# Allegro board 1119394-C028P02-36-DE2-C01_pcb.brd (continued)
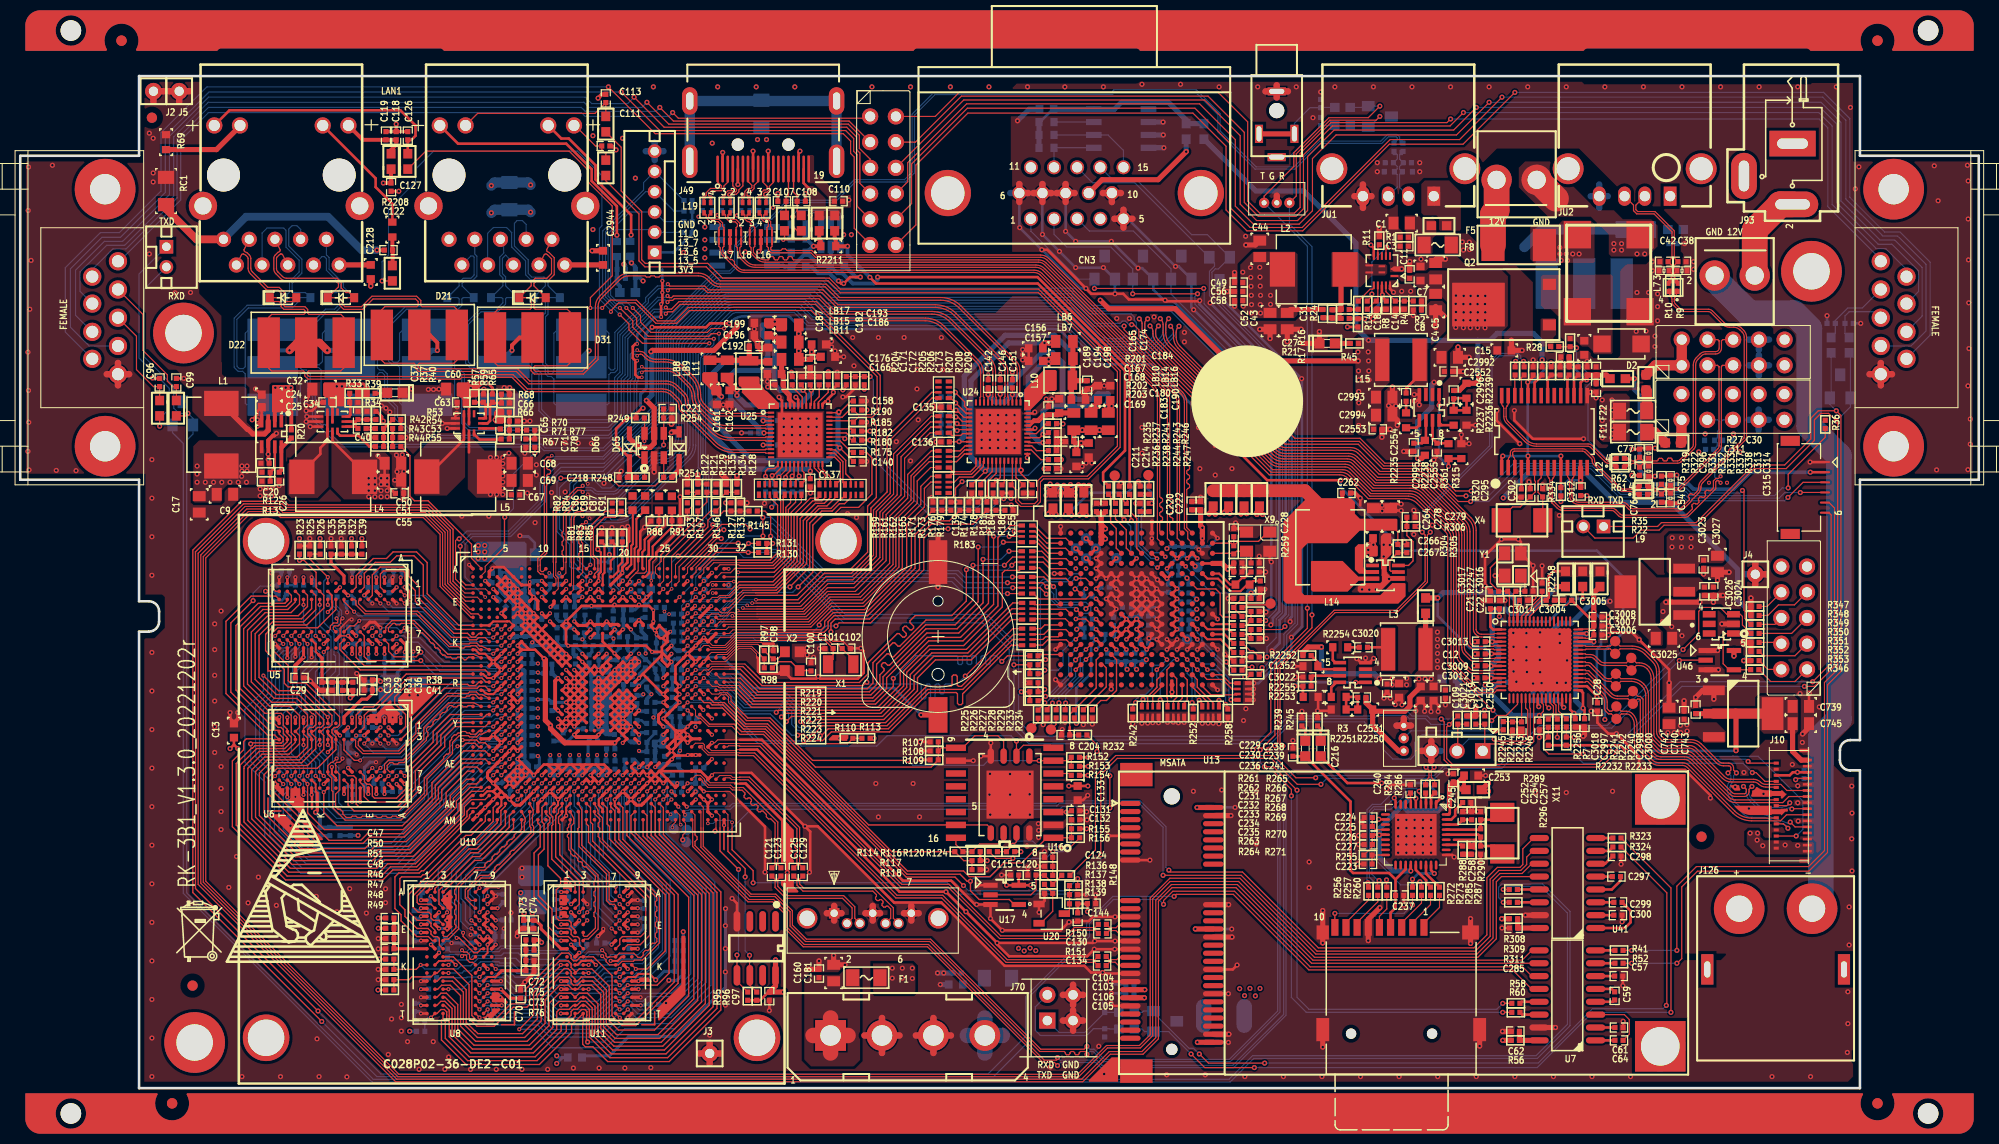
[diagram p0: board, top side]
## Routing (per net, layer and track width the routed paths; a pad name or vN(x,y) marks a point on that pad's centre or on a via; arc(x,y) is an arc through that point) (continued)
1V8: length 34.8
  TOP w0.254: R2232.2 R2233.2 158.04,33.88 v2(158.6,33.32)
  TOP w0.508: U102.4 173.23,36.86 ; v2(169.47,33.35) 169.47,36.98 169.44,37.01 ; J10.31 175.92,32.41 175.06,33.27 C745.1 ; C743.1 U102.2
  TOP w1.016: U102.4 U102.2
  BOTTOM w0.254: v2(169.47,33.35) 169.44,33.32 v2(158.6,33.32)
1V8_DVI: length 15.6
  TOP w0.127: R304.2 136.07,54.97 C278.1
  TOP w0.381: C262.1 130.58,58.06
  TOP w1.27: L14.2 126.89,59.03 LB25.1 LB24.1 LB23.1 LB22.1
3V3: length 272.9
  TOP w0.254: v2(105.41,17.45) C144.1 105.38,18.21 R151.1 C134.1 ; v1(62.53,46.13) v3(62.53,47.22) 62.1,47.65 60.99,47.65 ; R152.1 v2(105.46,32.69) ; 105.05,59.08 LB20.1 ; 105.05,59.08 v2(104.52,59.61) ; 105.05,59.08 105.54,59.56 ; 105.05,59.08 v2(105.05,59.56) ; v2(133.4,83.31) 133.69,83.02 U2.7 ; R95.1 R96.1 73.08,8.69 73.89,9.5 C97.2 ; R162.1 v2(92.46,57.91) R165.1 ; U10.H13 53.91,45.31 ; 53.91,45.31 53.52,45.69 U10.H12 ; 53.91,45.31 53.91,43.94 v1(54.13,43.71) 57.94,43.71 ; v2(97.13,58.24) 96.98,58.39 R181.2 R184.1 v2(97.87,58.27) ; R127.1 v2(69.67,57.84) ; 63.37,42.8 63.37,42.27 U10.N25 ; 63.37,42.8 61.49,40.92 ; 63.37,42.8 63.37,43.07 ; 63.91,44.12 63.8,44.12 63.46,44.46 ; 63.91,44.12 63.37,43.59 63.37,43.07 ; 63.91,44.12 U10.K25 U10.J25 ; v2(104.52,59.61) 105,59.61 v2(105.05,59.56) ; v2(104.52,59.61) 104.22,59.31 v2(104.22,59.18) 103.86,58.83 ; R155.1 v2(105.33,25.63) ; 57.94,43.71 57.52,44.13 U10.J17 ; 57.94,43.71 v1(58.7,42.95) ; 57.94,43.71 61.8,43.71 v1(62.41,43.1) 63.34,43.1 63.37,43.07 ; R153.1 v2(105.49,31.8) ; 133.62,53.51 133.68,53.57 133.68,53.67 ; v1(61.11,47.78) 60.99,47.65 ; 60.99,47.65 58.57,47.65 ; 133.68,53.67 v2(133.65,53.7) ; 133.68,53.67 133.76,53.59 ; v2(46.02,69.67) 46.18,69.67 46.63,69.22 R65.1 ; v2(103.73,59.64) 103.53,59.44 103.53,59.11 ; v2(176.81,60.86) J120.2 ; R124.1 v2(98.83,23.37) ; R306.1 v2(138.13,55.5) ; R129.1 R121.1 ; v2(101.35,59.23) 101.75,58.83 ; 101.75,58.83 LB18.1 ; 101.75,58.83 101.57,58.83 v2(101.32,58.57) ; C267.2 133.5,53.09 ; 133.5,53.09 133.17,52.76 133.17,52.7 v2(133.15,52.68) ; 133.5,53.09 133.48,53.09 133.22,53.34 133.22,53.62 v2(133.15,53.7) ; R116.1 R117.1 v2(95.5,22.48) ; R182.2 v2(83.92,64.92) ; U10.J25 64.11,45.11 v3(64.21,45.11) 64.02,44.92 U10.J25 ; U10.J25 63.46,44.46 ; U10.J25 U10.H24 63.12,45.67 v1(62.69,45.24) ; U4.13 U4.8 30.84,67.69 C34.1 ; v1(62.69,45.24) 62.32,45.61 U10.H23 ; v1(62.69,45.24) 62.84,45.09 v3(62.84,44.81) 63.18,44.46 63.46,44.46 ; C115.1 U17.5 ; U17.5 v2(97.42,20.05) ; U17.5 v2(99.81,20.05) ; v1(51.73,42.46) 50.86,43.32 50.29,43.32 ; 50.29,43.32 U10.L7 v1(49.12,43.72) ; 50.29,43.32 49.52,44.09 U10.K7 ; R180.1 v2(83.92,64.03) ; 105.54,59.56 v2(105.56,59.56) ; 105.54,59.56 v2(105.05,59.56) ; v2(103.07,59.56) 103.53,59.11 ; 103.53,59.11 LB19.1 ; R40.1 35.2,66.88 35.74,66.34 35.74,66.04 v2(35.86,65.91) ; v1(63.52,38.12) U10.U25 63.89,38.52 61.49,40.92 ; LB19.1 103.05,58.83 v2(102.77,58.55) ; LB19.1 103.86,58.83 ; 58.57,47.65 v1(56.41,47.65) 55.45,47.65 v1(53.92,46.12) ; 58.57,47.65 v1(58.7,47.78) ; 102.01,59.16 102.01,59.41 v2(101.73,59.69) ; 102.01,59.16 v2(102.44,59.59) ; 102.01,59.16 LB18.1 ; v2(103.57,29.86) C133.1 v2(105.45,29.86) ; C173.1 80.31,69.11 v2(80.31,68.76) 80.31,68.63 79.78,68.1 v2(79.78,67.87) 79.53,67.87 79.24,67.58 U25.37 ; LB18.1 102.54,58.83 v2(102.74,59.03) ; v2(74.32,53.82) R131.1 R130.1 ; U9.13 U9.8 44.32,67.41 C63.1 ; R179.1 96.37,58.09 v2(96.19,58.27) 96.09,58.37 R178.1 ; R17.1 v2(131.09,75.21) ; v1(64.32,42.12) U10.M25 63.37,43.07 ; R209.1 v2(83.36,69.06) ; R109.1 v2(88.93,32.44) ; 61.49,40.92 61.12,40.55 v1(61.12,40.52) ; R113.1 v2(84.33,34.57) ; 103.86,58.83 103.94,58.83 v2(104.22,58.55) ; R154.1 v2(105.46,30.91) ; U24.37 v2(99.48,62.3) ; R190.1 v2(83.62,67.01)
  TOP w0.305: U10.L7 v1(49.12,42.92) ; U10.M19 58.7,42.94 v1(58.7,42.95) ; U10.H23 62.53,45.94 v1(62.53,46.13) ; v1(63.52,38.12) U10.V25 ; U10.AB19 v1(58.72,34.12) ; U10.H12 v1(53.92,46.12) U10.H13 ; U10.M25 v1(64.32,42.92) ; U10.N25 v1(64.32,42.12) ; U10.T25 63.92,39.32 v1(63.52,38.92) U10.U25 ; U10.AE23 v1(61.92,31.72) ; U10.R21 v1(61.12,40.52) ; U10.AE22 v1(61.12,31.72) ; U10.K7 v1(49.12,43.72)
  TOP w0.381: U3.2 25.14,67.17 C25.2 25.29,67.31 26.26,67.31 26.77,66.8 R20.1 ; v2(35.86,89.43) C127.1 LB28.1 ; LB31.2 v2(159.44,70.1)
  TOP w0.508: R311.1 v2(146.33,16.74) ; C193.1 v2(78.17,72.75) 78.17,72.58 v2(78.49,72.26) ; v2(74.6,12.67) U12.8 74.6,10.11 C97.2 v2(75.36,9.5) ; R121.1 v2(66.93,60.63) ; R56.1 v2(146.43,4.72) ; C31.2 125.48,76.94 C43.1 ; v2(78.49,72.26) C186.1 ; v2(78.49,72.26) 78.28,72.26 C182.1 v2(77.57,72.01) LB11.1 76.9,72.83 v2(76.89,72.85) 76.9,72.86 LB15.1 76.9,74.54 v2(76.89,74.55) 76.9,74.56 LB17.1 ; D65.2 64.39,64.85 v2(64.31,64.77) ; v2(145.01,30.15) 144.35,29.49 LB26.1 144.48,29.34 v2(145.01,29.34) ; R203.1 v2(102.82,62.1) ; C169.1 v2(101.14,61.21) ; v2(104.32,63.42) 104.32,63.63 C180.1 v2(104.06,64.34) LB10.1 104.89,65.01 v2(104.9,65.02) 104.91,65.01 LB14.1 106.59,65.01 v2(106.6,65.02) 106.62,65.01 LB16.1 ; v2(104.32,63.42) C183.1 ; v2(104.32,63.42) 104.64,63.74 v2(104.8,63.74) C190.1 ; v1(58.72,34.12) 53.79,34.12 52.37,35.53 v1(52.37,35.84) 51.87,36.35 51.87,42.32 v1(51.73,42.46) ; C266.2 C267.2 ; R128.1 v2(70.79,60.53) ; R206.1 v2(79.81,70.76)
  GND02 w0.254: v2(102.74,59.03) 102.44,59.33 v2(102.44,59.59) 102.46,59.56 v2(103.07,59.56) ; v2(102.74,59.03) 102.74,58.57 v2(102.77,58.55) ; v2(102.74,59.03) 103.07,59.36 v2(103.07,59.56) ; v2(25.2,69.22) v2(25.7,69.22) v2(26.21,69.22) v2(26.72,69.22) ; v2(78.49,72.26) 78.17,72.58 v2(78.17,72.75) ; v2(103.07,59.56) 103.66,59.56 v2(103.73,59.64) 103.76,59.64 v2(104.22,59.18) ; v2(133.15,52.68) v2(133.15,53.19) v2(133.15,53.7) v2(133.65,53.7) ; v2(104.22,59.18) v2(104.22,58.55) ; v2(104.22,59.18) 104.52,59.49 v2(104.52,59.61) 104.57,59.56 v2(105.05,59.56) v2(105.56,59.56) ; v2(31.27,69.34) v2(31.78,69.34) v2(32.28,69.34) v2(32.79,69.34) v2(33.3,69.34) v2(33.81,69.34) ; v2(101.73,59.69) 101.73,59.61 v2(101.35,59.23) 101.35,58.6 v2(101.32,58.57)
  PWR03 w0.635: 61.78,82.58 J128.1 ; J128.1 62.66,81.7 ; J128.1 63.54,82.58 ; J128.1 62.66,83.45
  BOTTOM w0.254: C362.1 v3(62.53,47.22) v1(62.53,46.13) ; v2(74.22,57.4) 74.5,57.68 R371.2 R372.2 R373.2 R374.2 ; v2(102.74,59.03) 102.74,58.57 v2(102.77,58.55) ; v2(102.74,59.03) 103.07,59.36 v2(103.07,59.56) ; v2(102.74,59.03) 102.44,59.33 v2(102.44,59.59) 103.05,59.59 v2(103.07,59.56) ; v2(78.17,72.75) 78.17,72.58 v2(78.49,72.26) ; R376.2 R377.2 R378.2 R379.2 90.6,64.74 89.81,63.96 v2(89.81,63.86) ; R2260.2 R2259.2 R2258.2 R2257.2 66.37,84.43 64.52,82.58 J128.1 ; R382.1 66.7,36.42 v1(66.7,35.69) ; v2(103.07,59.56) 103.66,59.56 v2(103.73,59.64) 103.76,59.64 v2(104.22,59.18) ; v1(62.69,45.24) 62.84,45.09 v3(62.84,44.81) C361.1 62.84,43.17 LB35.1 62.42,43.09 v1(62.41,43.1) ; v2(31.27,69.34) v2(31.78,69.34) v2(32.28,69.34) v2(32.79,69.34) v2(33.3,69.34) v2(33.81,69.34) ; v2(101.32,58.57) 101.35,58.6 v2(101.35,59.23) 101.73,59.61 v2(101.73,59.69) ; v2(26.72,69.22) v2(26.21,69.22) v2(25.7,69.22) v2(25.2,69.22) ; v2(104.22,59.18) 104.52,59.49 v2(104.52,59.61) 104.57,59.56 v2(105.05,59.56) v2(105.56,59.56) ; v2(104.22,59.18) v2(104.22,58.55) ; C360.1 64.17,45.07 v3(64.21,45.11) 64.26,45.06 R386.1 64.52,45.09 R389.1 ; v2(133.65,53.7) v2(133.15,53.7) v2(133.15,53.19) v2(133.15,52.68) ; v2(44.5,69.67) v2(44.5,69.16) ; v2(46.02,69.67) v2(45.52,69.67)
  BOTTOM w0.305: LB49.1 53.05,44.03 53.37,43.71 v1(54.13,43.71) ; C386.1 59.18,43.43 v1(58.7,42.95) ; LB51.1 v1(51.73,42.46) ; v1(53.92,46.12) 53.91,46.13 ; 53.91,46.13 53.24,46.13 52.98,46.38 C427.1 ; 53.91,46.13 53.87,46.17 C423.1 ; LB34.1 64.41,42.03 v1(64.32,42.12) 64.62,42.42 C354.1 ; v1(61.92,31.72) 62.64,31 R392.1 ; v1(61.92,31.72) 61.91,31.73 LB36.1 ; v1(61.92,31.72) v1(61.12,31.72) ; C373.1 61.14,40.93 61.14,40.55 v1(61.12,40.52) ; LB44.1 58.57,47.65 v1(58.7,47.78) ; v1(61.12,31.72) 60.91,31.51 C382.1 ; v1(61.12,31.72) 61.12,32.02 60.74,32.4 C381.1 ; v1(63.52,38.92) 63.2,38.92 62.89,39.22 C364.1 ; v3(62.84,44.81) 63.21,44.81 C360.1 ; LB41.2 60.73,47.27 61.11,47.65 v1(61.11,47.78) ; v1(52.37,35.84) 52.37,35.42 LB50.1 ; LB45.1 56.53,47.54 v1(56.41,47.65) 56.3,47.54 LB47.1 ; C369.1 63.51,38.13 v1(63.52,38.12) ; C443.1 49.14,43.74 v1(49.12,43.72) ; v1(58.72,34.12) 58.72,33.53 C390.1 ; LB33.1 65.19,33.36 v1(65.16,33.34) 65.02,33.2 LB32.1 ; C358.1 63.81,42.29 64.32,42.81 v1(64.32,42.92) ; C444.1 49.19,42.85 v1(49.12,42.92)
  BOTTOM w0.381: v1(62.69,45.24) 62.31,45.62 LB39.1 ; v2(159.44,70.1) 159.44,68.96 159.94,68.45 159.94,61.09 161.34,59.69 164.77,59.69 165.28,59.18 169.21,59.18 170.89,60.86 v2(176.81,60.86) ; v2(61.52,79.76) 61.16,80.11 C114.1 LB27.1
  vias: v2(99.44,23.93) v2(100.56,26.14) v2(100.58,25.48) v2(100.58,24.77) v2(120.45,9.83) v2(120.75,80.62) v2(120.8,77.27) v2(120.93,9.14) v2(121.51,81.08) v2(121.54,80.11) v2(121.46,9.86) v2(121.56,79.22) v2(121.59,78.33) v2(121.62,77.42) v2(121.62,76.61) v2(122,9.12) v2(122.43,81.1) v2(122.45,80.14) v2(122.48,79.25) v2(122.5,78.33) v2(122.48,77.42) v2(122.5,76.58) v2(122.45,9.86) v2(123.49,78.33) v2(123.49,77.44)
3V3_3G4G: length 7.8
  TOP w0.508: U13.2 v2(116.23,27.73) ; U13.24 v2(116.07,15.73) ; U13.41 v2(111.03,8.93) ; U13.52 v2(116.27,4.53) ; U13.39 v2(111.07,9.73)
3V3_SDIO: length 30.1
  TOP w0.114: R255.2 133.55,23.88 C227.1 C226.1 ; C240.1 137.32,29.15 137.32,28.99 v2(137.13,28.8) 137.35,28.59 U34.6
  TOP w0.254: U34.36 141.04,27.04 141.2,27.2 141.2,27.84 v2(141.11,27.93) ; U34.14 134.26,25.04 v2(134.24,25.02) 134.21,25.04 133.63,25.04 C226.1 ; U34.22 v2(137.35,21.46)
  TOP w0.381: C245.1 141.97,30.25 C253.1 142.61,29.68 LB26.2 142.32,29.49 C245.1
  TOP w0.508: v2(141.11,27.93) 141.17,27.99 v2(141.17,28.57) 141.17,29.87 C245.1
  BOTTOM w0.508: v2(137.35,21.46) 135.6,21.46 134.24,22.82 v2(134.24,25.02) 134.24,25.65 136.51,27.93 ; v2(137.13,28.8) 137.13,28.55 136.51,27.93 ; 136.51,27.93 137.03,27.41 140,27.41 140.53,27.93 v2(141.11,27.93) 141.11,28.51 v2(141.17,28.57)
5V0: length 154.7
  TOP w0.254: R331.1 v2(150.32,71.96)
  TOP w0.508: v2(106.68,77.85) 107.52,77.01 114.1,77.01 119.25,71.86 v2(132.16,71.86) ; v2(61.85,67.95) 62.61,67.18 U33.5 62.61,63.7 62.23,63.32 61.06,63.32 60.17,64.21 D66.2 ; v2(62.31,72.77) 62.43,72.9 68.5,72.9 70.79,75.18 v2(70.79,75.54) ; v2(144.07,70.43) 144.07,69.95 143.76,69.65 R2239.1 142.14,68.94 C2996.1
  PWR03 w0.508: v2(70.79,75.54) 73.1,77.85 v2(106.68,77.85)
  BOTTOM w0.508: v2(61.85,67.95) 62.38,68.48 62.38,72.69 v2(62.31,72.77) ; 143.97,73.89 v2(133.17,73.89) 131.93,75.13 131.93,83.49 126.77,88.65 122.05,88.65 LB1.1 ; 143.97,73.89 143.97,70.54 v2(144.07,70.43) ; 143.97,73.89 145.19,73.89 145.87,74.57 149.45,74.57 150.32,73.71 v2(150.32,71.96)
  BOTTOM w1.016: F24.1 150.29,84.84 148.56,83.11
  vias: v2(98.6,13.82) v2(99.16,13.56) v2(99.75,13.84) v2(100.3,13.59) v2(132.13,72.75) v2(132.18,70.87) v2(132.21,69.98) v2(132.21,68.83) v2(132.21,67.72) v2(132.21,66.73) v2(132.21,65.48) v2(133.15,72.75) v2(133.17,71.86) v2(133.2,70.87) v2(133.22,69.98) v2(142.44,83.62) v2(142.54,82.8) v2(143.13,83.59) v2(143.15,82.85) v2(156.26,68) v2(156.29,67.01) v2(156.26,65.96) v2(156.26,65.02) v2(156.26,64.26) v2(157.2,68) v2(157.23,67.01) v2(157.23,65.96) v2(157.2,64.26) v2(157.25,65.05)
12V0: length 59.2
  TOP w0.508: R353.2 v2(170.23,42.24) ; R2252.1 126.7,43.08 127.2,43.59 v2(128.52,43.59) ; C8.1 R2.1 ; v2(138.02,62.23) 138.43,62.23 R2238.1
  BOTTOM w0.508: v2(128.52,43.59) 128.52,41.48 129.06,40.94 133.76,40.94 v2(134.24,40.46) ; v2(170.23,42.24) 170.28,42.24 170.94,42.9 170.94,46.96 169.62,48.29 169.62,51.28 163.02,57.89 157.53,57.89 154.69,60.73 148.89,60.73 v2(146.48,58.32) ; v2(138.02,62.23) 138.02,65.89 139.4,67.26 139.4,69.49 v2(139.65,69.75)
  vias: v2(86.13,11.86) v2(86.13,10.87) v2(87.12,11.86) v2(87.12,10.87) v2(88.11,11.86) v2(88.11,10.85) v2(135.51,40.46) v2(135.51,39.85) v2(136.93,40.49) v2(136.93,39.85) v2(141.81,78.31) v2(141.78,77.5) v2(141.81,76.68) v2(141.78,75.9) v2(141.78,75.16) v2(142.54,77.47) v2(142.54,75.87) v2(142.54,75.13) v2(142.57,78.28) v2(142.57,76.66) v2(143.23,77.47) v2(143.23,75.87) v2(143.23,75.13) v2(143.26,78.28) v2(143.26,76.66) v2(143.94,77.47) v2(143.94,75.87) v2(143.94,75.13) v2(143.97,78.28) v2(143.97,76.66) v2(144.7,78.28) v2(144.68,77.47) v2(144.7,76.66) v2(144.68,75.87) v2(144.68,75.13)
AVDD33_AC0: length 3.8
  TOP w0.305: v1(60.32,45.32) U10.H20
  BOTTOM w0.254: C378.1 60.88,44.65 60.32,45.22 v1(60.32,45.32)
  BOTTOM w0.305: C378.1 C372.1
  BOTTOM w0.381: LB39.2 61.35,45.12 61.77,44.7 C372.1
AVDD33_DDRPLL0: length 6.8
  TOP w0.305: U10.W12 v1(53.12,37.32) ; U10.R12 v1(53.12,40.52)
  TOP w0.381: v1(53.12,37.32) 52.83,37.61 52.83,40.23 v1(53.12,40.52)
  BOTTOM w0.381: v1(53.12,40.52) 53,40.52 C434.1 52.53,41.87 LB51.2 ; C432.1 53.11,37.31 v1(53.12,37.32)
AVDD33_DDRPLL1: length 6.7
  TOP w0.305: U10.AA14 v1(54.72,34.92) ; U10.AA17 v1(57.12,34.92)
  TOP w0.381: v1(54.72,34.92) 54.94,34.7 56.9,34.7 v1(57.12,34.92)
  BOTTOM w0.254: v1(57.12,34.92) 57.02,34.82 C405.1
  BOTTOM w0.305: LB50.2 52.72,34.29 C424.1 54.09,34.29 v1(54.72,34.92)
AVDD33_PLL: length 2.7
  TOP w0.305: v1(63.52,39.72) U10.R25
  BOTTOM w0.305: LB34.2 C356.1 63.88,39.42 63.58,39.72 v1(63.52,39.72)
AVDD33_RTC: length 2.7
  TOP w0.305: U10.P25 v1(63.52,40.52)
  BOTTOM w0.305: LB35.2 63.53,41.54 C363.1 63.53,40.53 v1(63.52,40.52)
AVDD33_SATA01: length 2.9
  TOP w0.305: U10.AB25 v1(63.52,34.12) ; U10.AA25 v1(63.52,34.92)
  BOTTOM w0.381: C366.1 C367.1 62.7,33.24 LB36.2
AVDD33_SATA23: length 5.8
  TOP w0.305: v1(63.52,37.32) U10.W24 63.04,36.84 63.04,36.2 U10.Y24 v1(63.52,35.72)
  BOTTOM w0.305: C355.1 64.39,36.6 C357.1 64.14,36.7 v1(63.52,37.32)
  BOTTOM w0.381: v1(63.52,35.72) 63.53,35.71 C355.1 64.4,35.7 LB33.2
AVDD33_USB2: length 4.1
  TOP w0.305: U10.AE24 v1(62.72,31.72)
  BOTTOM w0.356: v1(62.72,31.72) 63.19,31.72 63.45,31.98 C359.1 63.69,31.94 LB32.2
  BOTTOM w0.381: LB32.2 65.02,31.67 65.33,31.37 C350.1
AVDD33_USB3: length 2.5
  TOP w0.305: U10.J14 v1(54.72,45.32)
  BOTTOM w0.381: v1(54.72,45.32) 54.55,45.49 C425.1 53.84,45.48 LB49.2
AVDD33_USB32: length 2.3
  TOP w0.305: U10.J15 v1(56.32,45.32)
  BOTTOM w0.254: v1(56.32,45.32) 55.84,45.8 C415.1 55.74,45.81 55.74,46.71 LB47.2
AVDD33_VDAC: length 2.6
  TOP w0.305: U10.J18 v1(58.72,45.32)
  BOTTOM w0.381: C385.1 59.18,44.86 v1(58.72,45.32) 58.57,45.47 LB44.2
AVDD33_VDAC_CVBS: length 2.6
  TOP w0.305: U10.J19 v1(59.52,45.32)
  BOTTOM w0.381: LB41.1 59.56,47.26 C384.1 59.59,46.23 59.59,45.39 v1(59.52,45.32)
AVDD_BAT: length 28.9
  TOP w0.305: v1(65.92,42.12) U10.N27
  TOP w0.508: BT1.1 v2(88.98,36.88)
  BOTTOM w0.254: v1(65.92,42.12) 66.39,42.6 69.37,42.6 72.44,39.52 86.33,39.52 v2(88.98,36.88)
  BOTTOM w0.381: v1(65.92,42.12) 65.3,41.5 C351.1
AVDD_HDMITX: length 3.5
  TOP w0.305: U10.M16 v1(57.12,42.92)
  BOTTOM w0.305: LB46.2 56.46,43.09 56.46,43.59 C406.1 C395.1 57.48,43.28 v1(57.12,42.92)
AVDD_PLL: length 2.4
  TOP w0.305: U10.T21 v1(61.12,39.72)
  BOTTOM w0.305: C371.1 61.77,40.44 61.12,39.78 v1(61.12,39.72)
  BOTTOM w0.381: v1(61.12,39.72) 60.95,39.89 LB40.2
AVDD_PLL_HDMITX: length 2.2
  TOP w0.305: U10.M17 v1(57.92,42.92)
  BOTTOM w0.381: LB42.2 C397.1 57.96,42.88 v1(57.92,42.92)
AVDD_SATA01: length 4.8
  TOP w0.305: U10.AB21 v1(61.12,34.12) ; U10.AA21 v1(61.12,34.92)
  BOTTOM w0.305: C370.1 61.33,35.13 v1(61.12,34.92) v1(61.12,34.12) 60.6,34.12 C380.1 60.21,34.21 LB43.2
AVDD_SATA2: length 2.3
  TOP w0.305: U10.Y21 v1(61.12,35.72)
  BOTTOM w0.254: C379.1 61.37,36.35 61.67,36.04 LB38.2
  BOTTOM w0.305: v1(61.12,35.72) 60.93,35.91 C379.1
AVDD_SATA3: length 2.1
  TOP w0.305: U10.W21 v1(61.12,37.32)
  BOTTOM w0.381: LB37.2 61.2,37.24 v1(61.12,37.32) 60.91,37.53 C377.1
AVDD_USB3: length 2.9
  TOP w0.305: U10.M15 55.52,42.92 v1(55.52,42.92)
  BOTTOM w0.254: C418.1 54.84,43.69 55.52,43 v1(55.52,42.92)
  BOTTOM w0.381: LB48.2 54.64,42.91 54.64,43.54 C418.1
AVDDH_HDMITX: length 3.5
  TOP w0.305: U10.J16 v1(56.32,44.52)
  BOTTOM w0.305: C398.1 C399.1 56.97,44.52 v1(56.32,44.52)
  BOTTOM w0.381: C398.1 57.05,46.62 LB45.2
DVDD_CORE: length 51.1
  TOP w0.254: 57.91,40.51 U10.P18 U10.R19 ; 57.91,40.51 57.12,39.72 ; 57.91,40.51 58.3,40.12 U10.R18 ; U10.P19 v1(58.72,40.52) ; U10.P19 v1(58.72,41.32) U10.N19 U10.P20 59.94,40.92 60.33,40.53 ; U10.P19 U10.R20 60.33,40.53 ; 58.75,39.75 61.12,42.12 v1(61.12,42.12) U10.M21 v1(60.32,42.12) U10.N21 ; 58.75,39.75 58.38,40.12 U10.R18 ; 58.75,39.75 57.93,38.92 ; U10.U16 56.72,38.52 v1(57.12,38.12) 57.93,38.92 ; U10.T18 58.32,39.32 v1(57.12,40.52) ; 59.52,42.12 U10.P21 60.33,40.53 ; U10.T16 56.72,39.32 v1(57.12,38.92) ; 57.93,38.92 57.53,39.32 U10.T17 ; U10.T17 57.12,38.92 ; U10.T17 U10.R18 ; 44.32,62.81 U9.2 ; v1(57.12,35.72) 57.51,36.12 U10.Y17 ; C65.2 47.02,65.94 v2(46.91,66.04) 46.91,66.22 R66.1 ; U10.W16 56.72,36.92 v1(57.12,36.52) 57.52,36.92 U10.W17 ; v1(57.12,37.32) 57.52,37.72 U10.V17 ; U10.N20 v1(59.52,41.32) ; U10.R16 57.12,39.72 ; U10.V16 57.12,37.32
  TOP w0.305: v1(57.12,35.72) 57.12,35.72 U10.Y16 57.12,36.52 v1(57.12,36.52) 57.12,36.52 U10.Y17 ; U10.T17 57.12,39.72 v1(57.12,39.72) 57.12,39.72 U10.T16 ; U10.P18 v1(58.72,41.32) ; U10.P19 v1(59.52,41.32) ; U10.U17 57.12,38.92 v1(57.12,38.92) 57.12,38.92 U10.U16 ; U10.W16 57.12,37.32 v1(57.12,37.32) 57.12,37.32 U10.W17 ; U10.P20 v1(60.32,41.32) ; U10.N20 v1(60.32,42.12) ; U10.R18 v1(58.72,40.52) ; U10.R16 57.12,40.52 v1(57.12,40.52) 57.12,40.52 U10.R17 ; U10.N21 v1(61.12,42.12) ; U10.V16 57.12,38.12 v1(57.12,38.12) 57.12,38.12 U10.V17 ; 59.52,42.12 U10.N19
  PWR03 w0.254: v2(48.26,62.74) 47.42,63.58 47.42,65.64 47.03,66.04 v2(46.91,66.04)
  BOTTOM w0.305: LB37.1 62.67,36.77 v1(62.53,36.63) 62.67,36.49 LB38.1 ; C408.1 56.46,41.17 56.16,41.48 ; LB46.1 56.18,41.5 56.16,41.48 ; 56.16,41.48 55.27,41.48 54.84,41.91 LB48.1
  BOTTOM w0.381: LB43.1 58.19,34.95
  vias: v2(46.44,62.32) v2(46.44,58.66) v2(47.05,62.32) v2(47.05,58.66) v2(47.66,62.32) v2(47.66,61.71) v2(47.66,61.1) v2(47.66,60.49) v2(47.66,59.88) v2(47.66,59.27) v2(47.66,58.66)
DVDD_CPU: length 72.7
  TOP w0.254: 51.94,43.3 51.51,43.73 ; 51.94,43.3 51.94,43.33 52.73,44.11 ; 51.94,43.3 52.4,42.84 ; 51.51,43.73 51.58,43.73 52.34,44.5 ; 51.51,43.73 51.13,44.11 ; U10.M12 53.53,42.52 v1(53.93,42.91) ; U10.M12 53.52,42.51 53.13,42.11 52.66,42.58 ; U10.M12 U10.N13 ; U10.F8 U10.G7 v1(49.92,46.12) ; U10.F8 v1(50.72,46.92) U10.G8 U10.H7 50.3,44.94 ; U10.F8 49.91,47.73 ; U10.B4 v1(48.32,49.32) ; U10.H9 U10.F7 ; U10.H9 51.95,44.89 ; U10.H9 51.08,45.72 50.3,44.94 ; U10.F7 U10.G6 ; U10.F7 49.52,47.34 49.91,47.73 ; U10.F6 U10.E7 49.91,47.73 ; 53.5,43.34 52.74,42.58 52.66,42.58 ; 53.5,43.34 53.13,43.71 ; 53.5,43.34 U10.M13 U10.N12 ; 47.49,49.35 U10.D5 ; 47.49,49.35 U10.C4 U10.B5 U10.C6 ; 47.49,49.35 47.87,49.72 U10.C5 ; U10.D5 U10.C6 ; U10.D5 v1(49.12,47.72) ; U10.E5 49.12,49.32 v1(49.12,49.32) ; 50.72,44.52 50.3,44.94 ; 50.72,44.52 51.92,45.72 U10.H10 ; 50.72,44.52 51.13,44.11 ; U10.C6 U10.D7 U10.E6 ; 52.73,44.11 52.34,44.5 ; 52.73,44.11 53.13,43.71 ; 52.34,44.5 51.95,44.89 ; U10.D6 v1(49.12,48.52) ; 53.13,43.71 52.4,42.97 52.4,42.84 ; 51.95,44.89 51.18,44.11 51.13,44.11 ; C55.1 37.01,58.78 35.99,59.79 C51.1 C50.1 35.33,62.41 v2(35.33,62.48) ; L4.2 34.01,60.79 30.84,63.96 U4.2 ; 52.66,42.58 52.4,42.84 ; U10.H8 53.13,42.91 ; U10.J7 U10.G9 ; C40.2 v2(34.62,65.18) R42.1
  TOP w0.305: U10.H8 v1(49.92,46.12) ; U10.M13 v1(53.93,42.91) ; U10.G9 v1(50.72,46.92) ; v1(48.32,49.32) U10.D6 v1(49.12,49.32) ; 53.13,42.91 U10.M12 ; U10.G8 v1(49.92,46.92) ; U10.C5 v1(48.32,50.12) ; U10.G7 v1(49.12,46.92) ; U10.F7 v1(49.12,47.72) ; 53.13,42.11 U10.N12 ; U10.E7 v1(49.12,48.52)
  PWR03 w0.254: v2(34.62,65.18) 35.03,64.77 35.03,62.79 v2(35.33,62.48)
  BOTTOM w0.381: v1(53.93,42.91) 53.25,42.91 C428.1
  vias: v2(34.42,60.26) v2(34.42,59.65) v2(34.42,59.04) v2(34.42,58.43) v2(35.03,60.26) v2(35.03,59.65) v2(35.03,59.04) v2(35.03,58.43) v2(35.64,60.26) v2(35.64,59.65) v2(35.64,59.04) v2(35.64,58.43) v2(36.25,60.26) v2(36.25,59.65) v2(36.25,59.04) v2(36.25,58.43) v2(45.24,53.62) v2(45.24,52.98) v2(45.24,52.35) v2(45.87,53.62) v2(45.87,52.98) v2(45.87,52.35)
GND: length 1949.6
  TOP w0.095: v1(67.52,29.32) 70.07,29.32 71.09,28.3 ; 71.09,34.42 68.88,34.42 68.59,34.12 v1(68.32,34.12) ; 72.8,42.55 72.72,42.62 72.72,42.9 72.16,43.46 70.99,43.46 69.67,42.14 68.3,42.14 U10.M30 67.92,42.71 68.26,43.05 69.75,43.05 70.74,44.05 73.22,44.05 73.36,43.92 73.38,43.92 ; U10.D31 v3(68.4,48.92) ; 73.15,44.75 70.61,44.75 69.59,43.73 68.38,43.73 67.99,44.12 U10.K30 ; U10.AC30 67.92,33.71 68.28,33.35 70.74,33.35 70.84,33.45 71.09,33.45 ; 62.81,52.58 62.81,52.32 62.48,51.99 62.48,50.9 62.33,50.75 v3(62.33,50.14) 62.32,50.13 U10.C23 ; U10.C31 v3(68.4,49.72) ; 71.09,31.15 68.53,31.15 68.32,30.94 v1(68.32,30.92) ; 71.09,30.1 70.79,30.1 70.71,30.18 68.15,30.18 67.92,30.4 U10.AG30
  TOP w0.102: 60.8,50.89 61.66,50.89 61.85,51.08 61.85,52.5 61.93,52.58 ; 60.8,50.89 61.04,51.13 61.04,52.04 ; 60.8,50.89 60.22,50.31 v1(60.22,50.02)
  TOP w0.127: C102.1 81.28,44.15 80.3,44.15 79.69,44.75 73.15,44.75 ; U32.E1 v2(102.14,50.85) ; U32.T6 v2(107.76,39.44) ; v1(32.38,44.69) 31.62,44.69 31.6,44.71 31.6,45.43 32.47,46.31 v1(32.73,46.31) ; U32.T1 102.7,39.85 ; U32.T12 v2(113.76,39.15) ; 109.25,57.86 R238.1 ; C230.2 120.68,51.21 v2(120.93,51.46) 120.68,51.71 C229.2 ; U10.H6 48.31,46.13 ; R244.1 v2(110.19,57.78)
  TOP w0.178: v1(46.16,14.18) 46.16,13.38 U8.J8
  TOP w0.203: U10.T2 45.67,39.32 45.94,39.04 46.2,38.93 46.73,38.93 U10.T4 ; v1(46.72,30.12) U10.AH4 ; U10.H2 U10.H3 46.71,46.11 48.09,46.11 48.1,46.13 48.31,46.13 ; v1(53.92,26.92) 53.92,27.72 U10.AK13 ; 46.74,29.34 46.13,29.34 45.71,28.92 U10.AJ2 ; U10.L1 44.94,43.32 45.33,42.93 45.91,42.93 U10.M3 ; U10.P2 45.72,40.92 46.12,40.52 v1(46.72,40.52) ; 47.52,28.73 47.52,27.94 47.12,27.54 U10.AL4 ; U11.J8 59.4,12.98 59,12.58 v1(58.32,12.58) ; v1(57.12,50.12) 57.12,50.77 57.35,51 57.35,52.94 v2(57.05,53.24) 56.95,53.34 56.95,54.58 57.15,54.79 R81.2 v2(57.43,55.4) ; v1(30.78,31.73) 30.78,31.05 31.18,30.65 U6.J8 ; U10.AL19 59.12,27.52 58.72,27.92 v1(58.72,28.52) ; v1(53.12,28.52) 53.12,27.97 52.72,27.57 U10.AL11 ; U10.AL17 57.52,27.58 57.14,27.96 57.14,28.54 U10.AJ17